# Altium PCB TestMod_SEAx.PcbDoc (part 1 of 3) (continued)
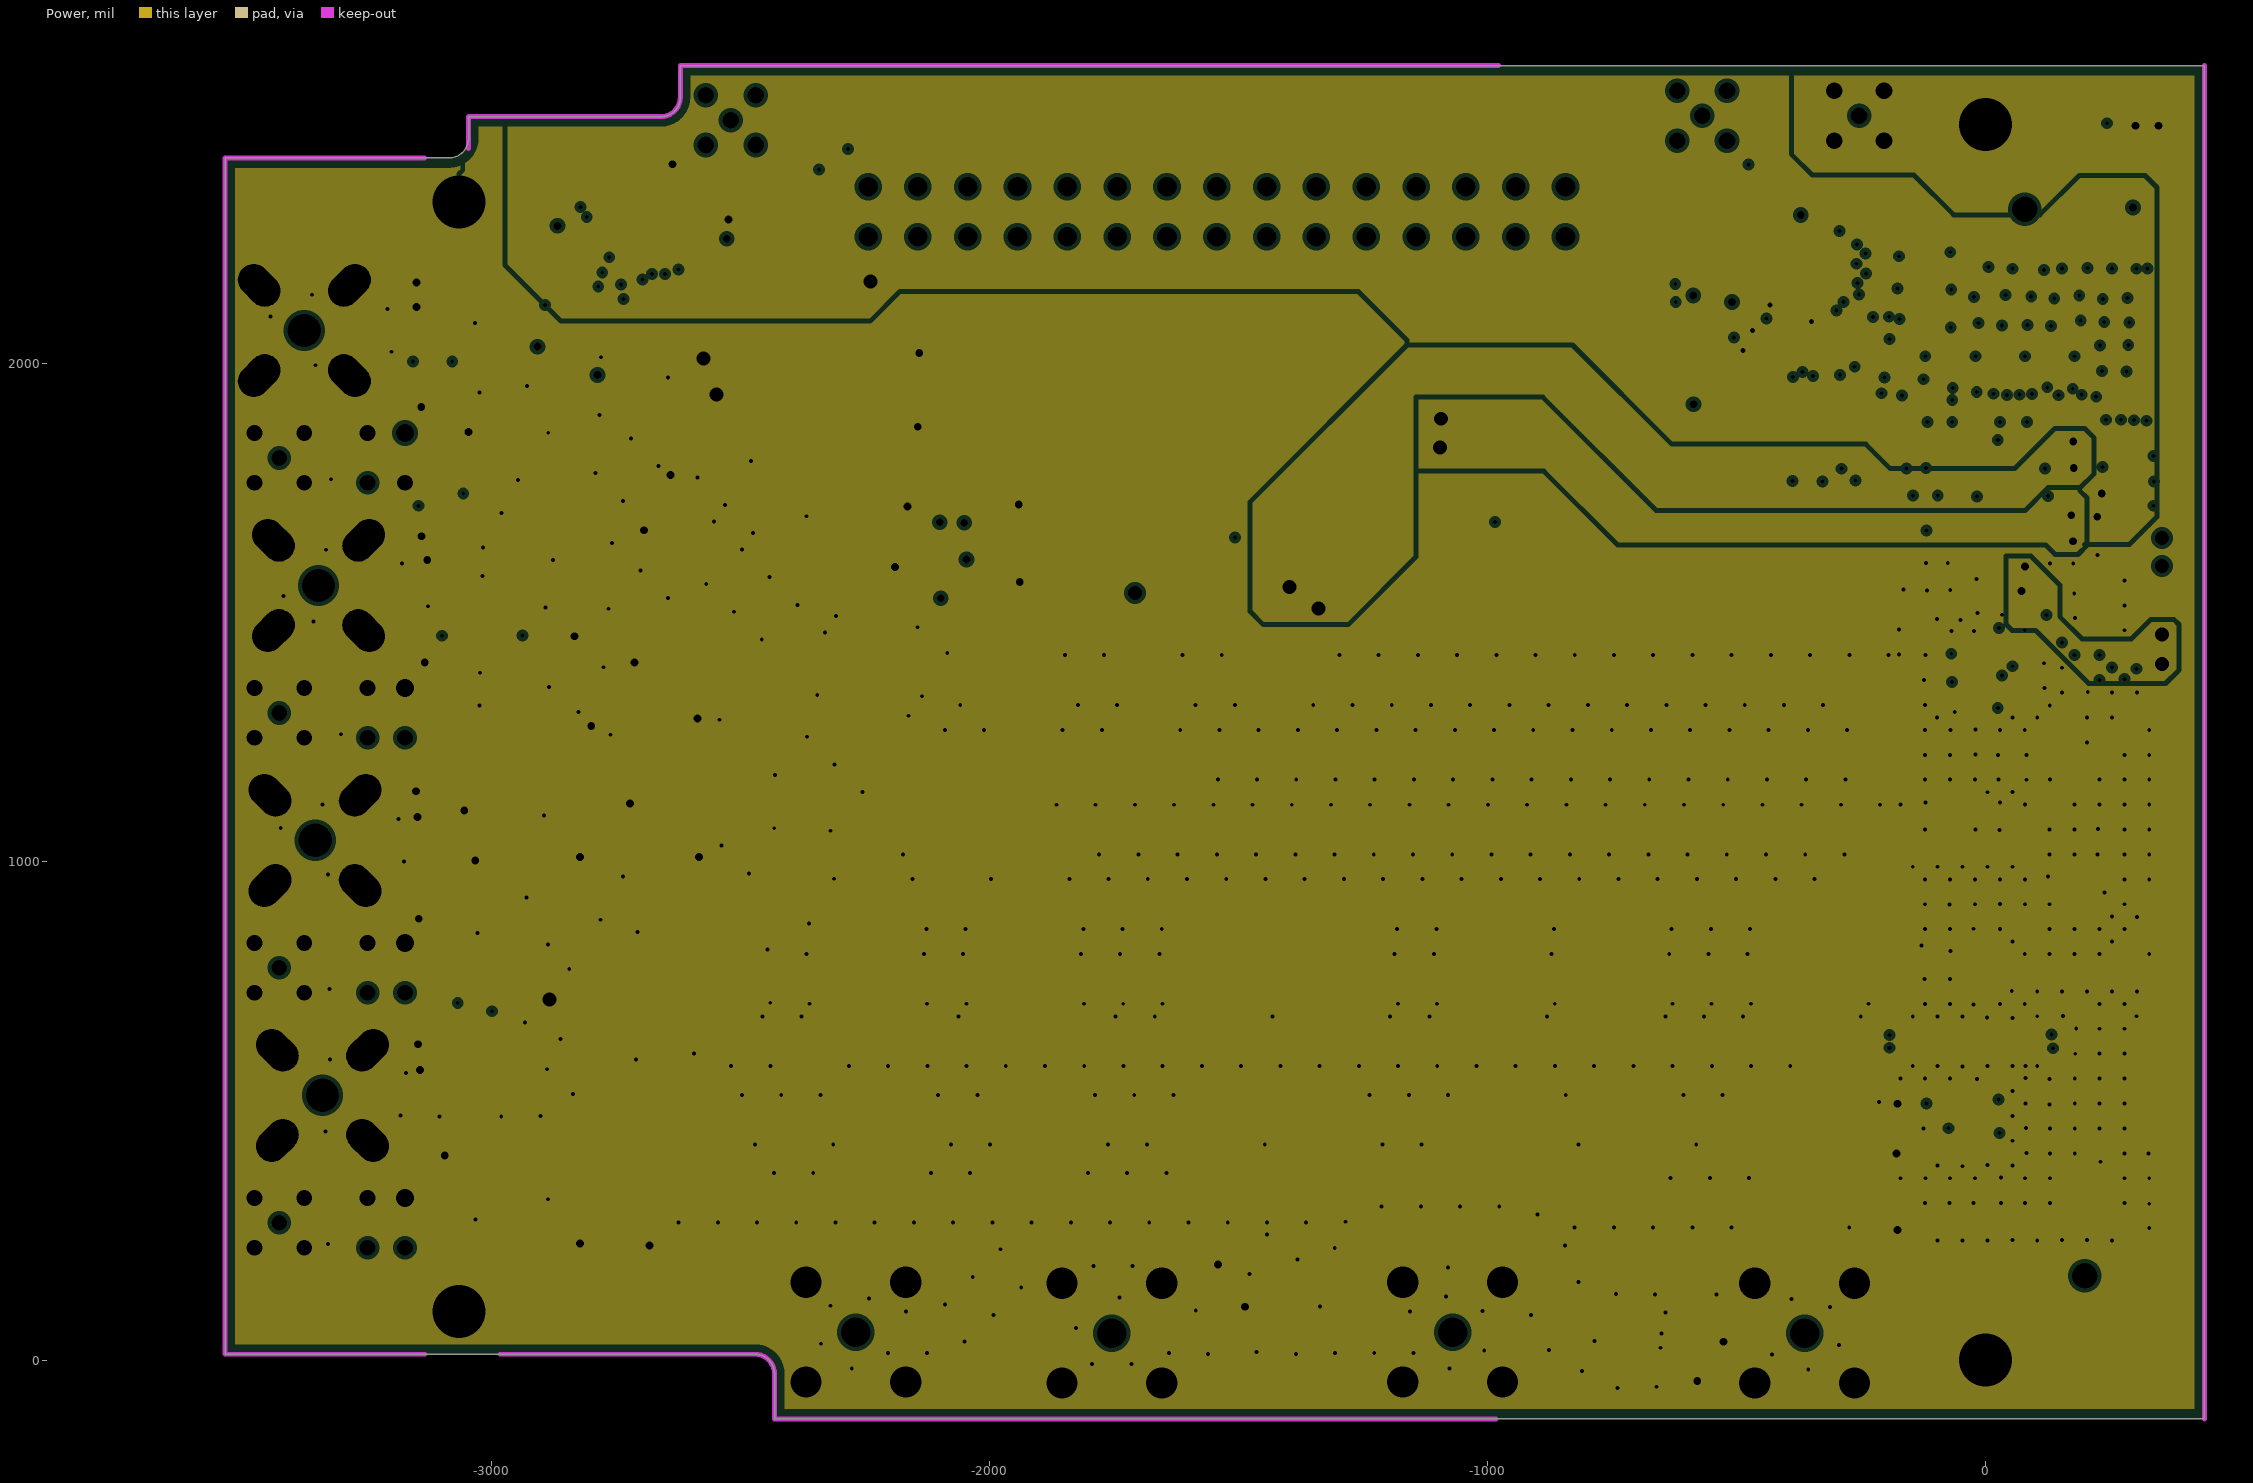
[diagram p3: Power, clearances drawn from the general rule]
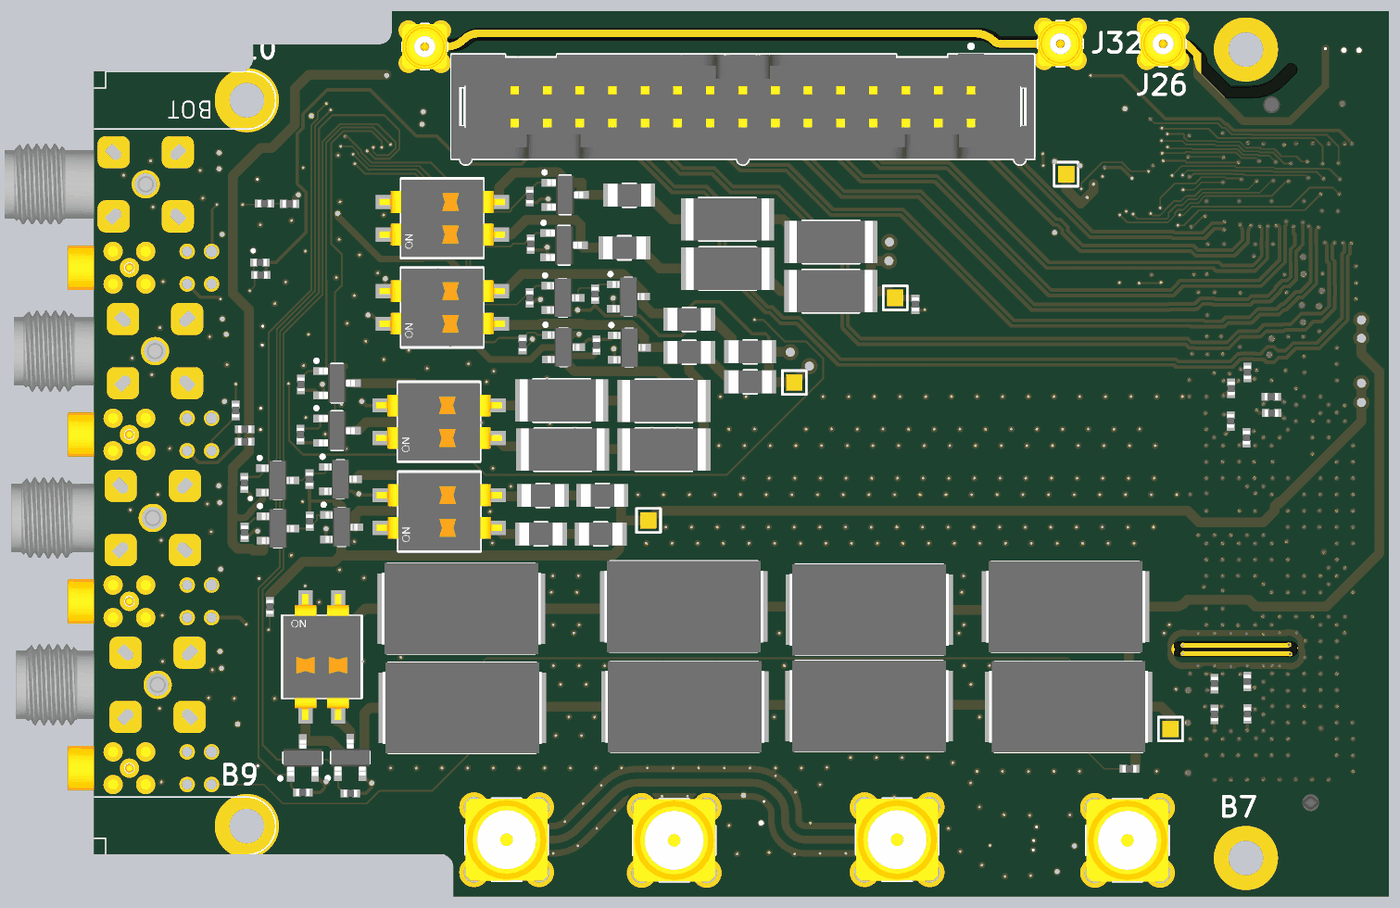
[diagram p6: 3D render of the assembled board from above, using the file's embedded part models]
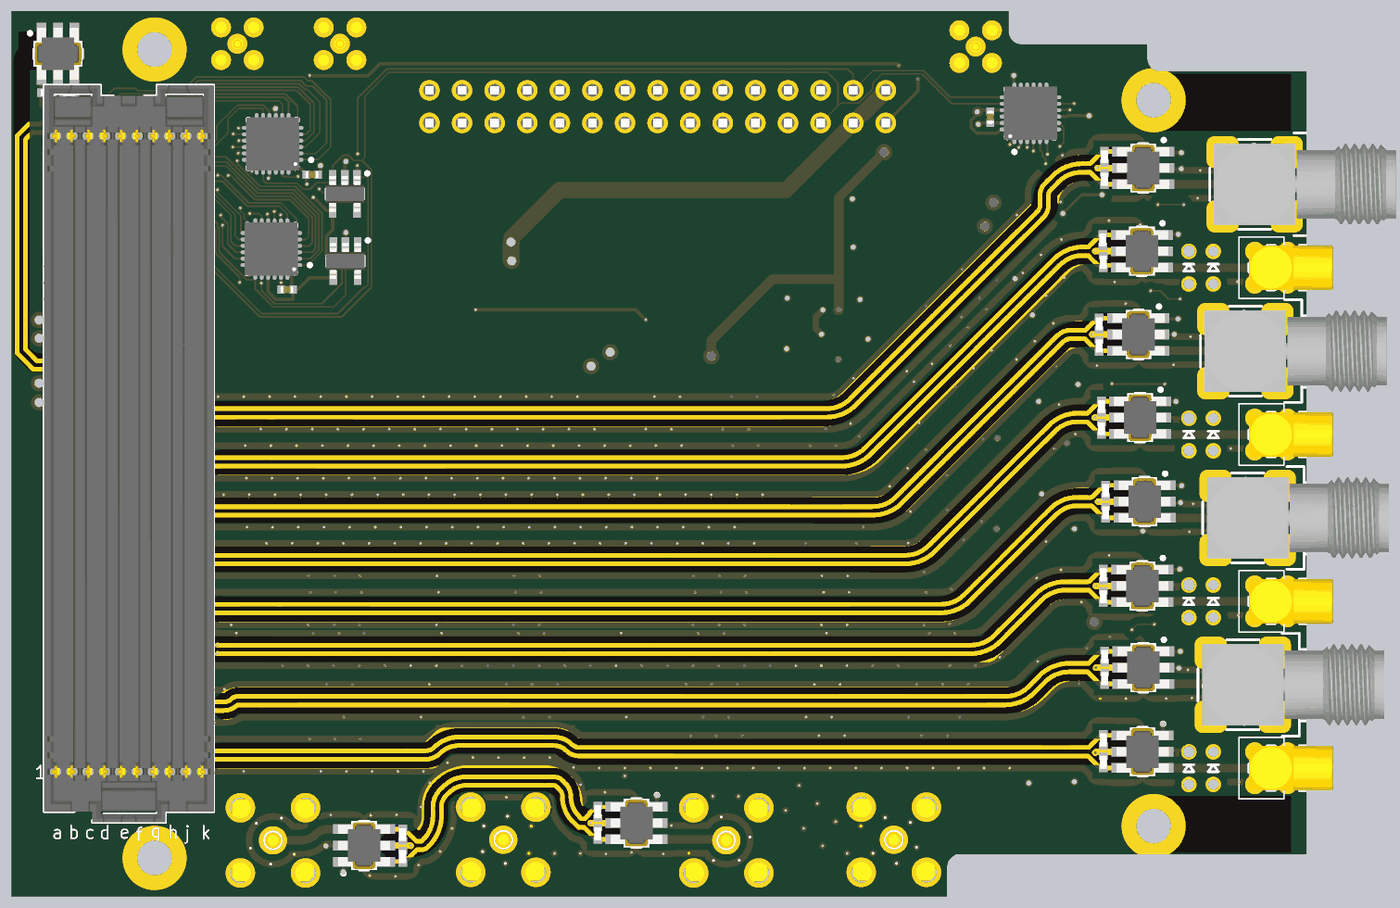
[diagram p7: 3D render of the assembled board from below, using the file's embedded part models]

## Layer stack, top to bottom
Top Solder: solder mask 3, Solder Resist, Dk 3.5
Top Layer: signal copper 1.378
Dielectric1: prepreg 14.1732, FR-4, Dk 4.8
GND: plane copper 1.378, net GND
Dielectric4: core 23.622, FR-4, Dk 4.8
Power: plane copper 1.378, net (Multiple Nets)
Dielectric7: prepreg 14.1732, FR-4, Dk 4.2
Bottom Layer: signal copper 1.378
Bottom Solder: solder mask 3, Solder Resist, Dk 3.5

## Board outline
-3534,11.81 -3534,2413.39 -3084.65,2413.39 ccw(c-3084.65,2452.76) -3045.28,2452.76 -3045.28,2496.06 -2659.45,2496.06 ccw(c-2659.45,2535.43) -2620.08,2535.43 -2620.08,2598.43 438.98,2598.43 438.98,-118.11 -2431.1,-118.11 -2431.1,-27.56 ccw(c-2470.47,-27.56) -2470.47,11.81

## Design rules (kind name [scope] priority, off if disabled: settings)
Clearance Clearance_diff_pairs [(InDifferentialPairClass('All Differential Pairs')) vs (InDifferentialPairClass('All Differential Pairs'))] p1 off: gap=20 ignorepadtopadclearanceinfootprint=FALSE
Clearance [All] p2: gap=5 ignorepadtopadclearanceinfootprint=FALSE except(20: Arc-Poly Track-Poly SMDPad-Poly THPad-Poly Via-Poly Fill-Poly Poly-Poly)
ComponentClearance [All] p1 off: gap=0 collisioncheckmode=3 verticalgap=0 showdistances=FALSE
DiffPairsRouting "Schematic Differential Pairs Routing_44" [InNet('DAC3_OUT_N')] p1: maxlimit=12 minlimit=12 mostfreqgap=12 toplayer_minwidth=14 toplayer_maxwidth=14 toplayer_prefwidth=14 bottomlayer_minwidth=14 bottomlayer_maxwidth=14 bottomlayer_prefwidth=14 maxuncoupledlength=500
DiffPairsRouting "Schematic Differential Pairs Routing_43" [InNet('ADC0_IN_P')] p2: maxlimit=12 minlimit=12 mostfreqgap=12 toplayer_minwidth=14 toplayer_maxwidth=14 toplayer_prefwidth=14 bottomlayer_minwidth=14 bottomlayer_maxwidth=14 bottomlayer_prefwidth=14 maxuncoupledlength=500
DiffPairsRouting "Schematic Differential Pairs Routing_42" [InNet('ADC3_IN_N')] p3: maxlimit=12 minlimit=12 mostfreqgap=12 toplayer_minwidth=14 toplayer_maxwidth=14 toplayer_prefwidth=14 bottomlayer_minwidth=14 bottomlayer_maxwidth=14 bottomlayer_prefwidth=14 maxuncoupledlength=500
DiffPairsRouting "Schematic Differential Pairs Routing_41" [InNet('DAC3_OUT_P')] p4: maxlimit=12 minlimit=12 mostfreqgap=12 toplayer_minwidth=14 toplayer_maxwidth=14 toplayer_prefwidth=14 bottomlayer_minwidth=14 bottomlayer_maxwidth=14 bottomlayer_prefwidth=14 maxuncoupledlength=500
DiffPairsRouting "Schematic Differential Pairs Routing_40" [InNet('ADC2_IN_P')] p5: maxlimit=12 minlimit=12 mostfreqgap=12 toplayer_minwidth=14 toplayer_maxwidth=14 toplayer_prefwidth=14 bottomlayer_minwidth=14 bottomlayer_maxwidth=14 bottomlayer_prefwidth=14 maxuncoupledlength=500
DiffPairsRouting "Schematic Differential Pairs Routing_39" [InNet('LO_IN_N')] p6: maxlimit=12 minlimit=12 mostfreqgap=12 toplayer_minwidth=14 toplayer_maxwidth=14 toplayer_prefwidth=14 bottomlayer_minwidth=14 bottomlayer_maxwidth=14 bottomlayer_prefwidth=14 maxuncoupledlength=500
DiffPairsRouting "Schematic Differential Pairs Routing_38" [InNet('DAC1_OUT_P')] p7: maxlimit=12 minlimit=12 mostfreqgap=12 toplayer_minwidth=14 toplayer_maxwidth=14 toplayer_prefwidth=14 bottomlayer_minwidth=14 bottomlayer_maxwidth=14 bottomlayer_prefwidth=14 maxuncoupledlength=500
DiffPairsRouting "Schematic Differential Pairs Routing_37" [InNet('ADC1_IN_P')] p8: maxlimit=12 minlimit=12 mostfreqgap=12 toplayer_minwidth=14 toplayer_maxwidth=14 toplayer_prefwidth=14 bottomlayer_minwidth=14 bottomlayer_maxwidth=14 bottomlayer_prefwidth=14 maxuncoupledlength=500
DiffPairsRouting "Schematic Differential Pairs Routing_36" [InNet('LO_IN_P')] p9: maxlimit=12 minlimit=12 mostfreqgap=12 toplayer_minwidth=14 toplayer_maxwidth=14 toplayer_prefwidth=14 bottomlayer_minwidth=14 bottomlayer_maxwidth=14 bottomlayer_prefwidth=14 maxuncoupledlength=500
DiffPairsRouting "Schematic Differential Pairs Routing_35" [InNet('DAC0_OUT_N')] p10: maxlimit=12 minlimit=12 mostfreqgap=12 toplayer_minwidth=14 toplayer_maxwidth=14 toplayer_prefwidth=14 bottomlayer_minwidth=14 bottomlayer_maxwidth=14 bottomlayer_prefwidth=14 maxuncoupledlength=500
DiffPairsRouting "Schematic Differential Pairs Routing_34" [InNet('ADC2_IN_N')] p11: maxlimit=12 minlimit=12 mostfreqgap=12 toplayer_minwidth=14 toplayer_maxwidth=14 toplayer_prefwidth=14 bottomlayer_minwidth=14 bottomlayer_maxwidth=14 bottomlayer_prefwidth=14 maxuncoupledlength=500
DiffPairsRouting "Schematic Differential Pairs Routing_33" [InNet('DAC1_OUT_N')] p12: maxlimit=12 minlimit=12 mostfreqgap=12 toplayer_minwidth=14 toplayer_maxwidth=14 toplayer_prefwidth=14 bottomlayer_minwidth=14 bottomlayer_maxwidth=14 bottomlayer_prefwidth=14 maxuncoupledlength=500
DiffPairsRouting "Schematic Differential Pairs Routing_32" [InNet('ADC0_IN_N')] p13: maxlimit=12 minlimit=12 mostfreqgap=12 toplayer_minwidth=14 toplayer_maxwidth=14 toplayer_prefwidth=14 bottomlayer_minwidth=14 bottomlayer_maxwidth=14 bottomlayer_prefwidth=14 maxuncoupledlength=500
DiffPairsRouting "Schematic Differential Pairs Routing_31" [InNet('ADC3_IN_P')] p14: maxlimit=12 minlimit=12 mostfreqgap=12 toplayer_minwidth=14 toplayer_maxwidth=14 toplayer_prefwidth=14 bottomlayer_minwidth=14 bottomlayer_maxwidth=14 bottomlayer_prefwidth=14 maxuncoupledlength=500
DiffPairsRouting "Schematic Differential Pairs Routing_30" [InNet('DAC2_OUT_P')] p15: maxlimit=12 minlimit=12 mostfreqgap=12 toplayer_minwidth=14 toplayer_maxwidth=14 toplayer_prefwidth=14 bottomlayer_minwidth=14 bottomlayer_maxwidth=14 bottomlayer_prefwidth=14 maxuncoupledlength=500
DiffPairsRouting "Schematic Differential Pairs Routing_29" [InNet('DAC0_OUT_P')] p16: maxlimit=12 minlimit=12 mostfreqgap=12 toplayer_minwidth=14 toplayer_maxwidth=14 toplayer_prefwidth=14 bottomlayer_minwidth=14 bottomlayer_maxwidth=14 bottomlayer_prefwidth=14 maxuncoupledlength=500
DiffPairsRouting "Schematic Differential Pairs Routing_28" [InNet('ADC1_IN_N')] p17: maxlimit=12 minlimit=12 mostfreqgap=12 toplayer_minwidth=14 toplayer_maxwidth=14 toplayer_prefwidth=14 bottomlayer_minwidth=14 bottomlayer_maxwidth=14 bottomlayer_prefwidth=14 maxuncoupledlength=500
DiffPairsRouting "Schematic Differential Pairs Routing_27" [InNet('TEST_SMA_P')] p18: maxlimit=12 minlimit=12 mostfreqgap=12 toplayer_minwidth=14 toplayer_maxwidth=14 toplayer_prefwidth=14 bottomlayer_minwidth=14 bottomlayer_maxwidth=14 bottomlayer_prefwidth=14 maxuncoupledlength=500
DiffPairsRouting "Schematic Differential Pairs Routing_26" [InNet('TEST_SMA_N')] p19: maxlimit=12 minlimit=12 mostfreqgap=12 toplayer_minwidth=14 toplayer_maxwidth=14 toplayer_prefwidth=14 bottomlayer_minwidth=14 bottomlayer_maxwidth=14 bottomlayer_prefwidth=14 maxuncoupledlength=500
DiffPairsRouting "Schematic Differential Pairs Routing_25" [InNet('NetTR1_5')] p20: maxlimit=12 minlimit=12 mostfreqgap=12 toplayer_minwidth=14 toplayer_maxwidth=14 toplayer_prefwidth=14 bottomlayer_minwidth=14 bottomlayer_maxwidth=14 bottomlayer_prefwidth=14 maxuncoupledlength=500
DiffPairsRouting "Schematic Differential Pairs Routing_24" [InNet('NetTR2_5')] p21: maxlimit=12 minlimit=12 mostfreqgap=12 toplayer_minwidth=14 toplayer_maxwidth=14 toplayer_prefwidth=14 bottomlayer_minwidth=14 bottomlayer_maxwidth=14 bottomlayer_prefwidth=14 maxuncoupledlength=500
DiffPairsRouting "Schematic Differential Pairs Routing_23" [InNet('NetTR3_5')] p22: maxlimit=12 minlimit=12 mostfreqgap=12 toplayer_minwidth=14 toplayer_maxwidth=14 toplayer_prefwidth=14 bottomlayer_minwidth=14 bottomlayer_maxwidth=14 bottomlayer_prefwidth=14 maxuncoupledlength=500
DiffPairsRouting "Schematic Differential Pairs Routing_22" [InNet('NetTR4_5')] p23: maxlimit=12 minlimit=12 mostfreqgap=12 toplayer_minwidth=14 toplayer_maxwidth=14 toplayer_prefwidth=14 bottomlayer_minwidth=14 bottomlayer_maxwidth=14 bottomlayer_prefwidth=14 maxuncoupledlength=500
DiffPairsRouting "Schematic Differential Pairs Routing_21" [InNet('NetTR5_5')] p24: maxlimit=12 minlimit=12 mostfreqgap=12 toplayer_minwidth=14 toplayer_maxwidth=14 toplayer_prefwidth=14 bottomlayer_minwidth=14 bottomlayer_maxwidth=14 bottomlayer_prefwidth=14 maxuncoupledlength=500
DiffPairsRouting "Schematic Differential Pairs Routing_20" [InNet('NetTR6_5')] p25: maxlimit=12 minlimit=12 mostfreqgap=12 toplayer_minwidth=14 toplayer_maxwidth=14 toplayer_prefwidth=14 bottomlayer_minwidth=14 bottomlayer_maxwidth=14 bottomlayer_prefwidth=14 maxuncoupledlength=500
DiffPairsRouting "Schematic Differential Pairs Routing_19" [InNet('NetTR7_5')] p26: maxlimit=12 minlimit=12 mostfreqgap=12 toplayer_minwidth=14 toplayer_maxwidth=14 toplayer_prefwidth=14 bottomlayer_minwidth=14 bottomlayer_maxwidth=14 bottomlayer_prefwidth=14 maxuncoupledlength=500
DiffPairsRouting "Schematic Differential Pairs Routing_18" [InNet('NetTR11_5')] p27: maxlimit=12 minlimit=12 mostfreqgap=12 toplayer_minwidth=14 toplayer_maxwidth=14 toplayer_prefwidth=14 bottomlayer_minwidth=14 bottomlayer_maxwidth=14 bottomlayer_prefwidth=14 maxuncoupledlength=500
DiffPairsRouting "Schematic Differential Pairs Routing_16" [InNet('GND')] p28: maxlimit=6 minlimit=6 mostfreqgap=6 toplayer_minwidth=11 toplayer_maxwidth=11 toplayer_prefwidth=11 bottomlayer_minwidth=11 bottomlayer_maxwidth=11 bottomlayer_prefwidth=11 maxuncoupledlength=500
DiffPairsRouting "Schematic Differential Pairs Routing_15" [InNet('LVDS2_P')] p29: maxlimit=6 minlimit=6 mostfreqgap=6 toplayer_minwidth=11 toplayer_maxwidth=11 toplayer_prefwidth=11 bottomlayer_minwidth=11 bottomlayer_maxwidth=11 bottomlayer_prefwidth=11 maxuncoupledlength=500
DiffPairsRouting "Schematic Differential Pairs Routing_14" [InNet('LVDS5_N')] p30: maxlimit=6 minlimit=6 mostfreqgap=6 toplayer_minwidth=11 toplayer_maxwidth=11 toplayer_prefwidth=11 bottomlayer_minwidth=11 bottomlayer_maxwidth=11 bottomlayer_prefwidth=11 maxuncoupledlength=500
DiffPairsRouting "Schematic Differential Pairs Routing_13" [InNet('LVDS3_P')] p31: maxlimit=6 minlimit=6 mostfreqgap=6 toplayer_minwidth=11 toplayer_maxwidth=11 toplayer_prefwidth=11 bottomlayer_minwidth=11 bottomlayer_maxwidth=11 bottomlayer_prefwidth=11 maxuncoupledlength=500
DiffPairsRouting "Schematic Differential Pairs Routing_12" [InNet('LVDS2_N')] p32: maxlimit=6 minlimit=6 mostfreqgap=6 toplayer_minwidth=11 toplayer_maxwidth=11 toplayer_prefwidth=11 bottomlayer_minwidth=11 bottomlayer_maxwidth=11 bottomlayer_prefwidth=11 maxuncoupledlength=500
DiffPairsRouting "Schematic Differential Pairs Routing_11" [InNet('LVDS7_N')] p33: maxlimit=6 minlimit=6 mostfreqgap=6 toplayer_minwidth=11 toplayer_maxwidth=11 toplayer_prefwidth=11 bottomlayer_minwidth=11 bottomlayer_maxwidth=11 bottomlayer_prefwidth=11 maxuncoupledlength=500
DiffPairsRouting "Schematic Differential Pairs Routing_10" [InNet('LVDS4_N')] p34: maxlimit=6 minlimit=6 mostfreqgap=6 toplayer_minwidth=11 toplayer_maxwidth=11 toplayer_prefwidth=11 bottomlayer_minwidth=11 bottomlayer_maxwidth=11 bottomlayer_prefwidth=11 maxuncoupledlength=500
DiffPairsRouting "Schematic Differential Pairs Routing_9" [InNet('LVDS3_N')] p35: maxlimit=6 minlimit=6 mostfreqgap=6 toplayer_minwidth=11 toplayer_maxwidth=11 toplayer_prefwidth=11 bottomlayer_minwidth=11 bottomlayer_maxwidth=11 bottomlayer_prefwidth=11 maxuncoupledlength=500
DiffPairsRouting "Schematic Differential Pairs Routing_8" [InNet('LVDS1_P')] p36: maxlimit=6 minlimit=6 mostfreqgap=6 toplayer_minwidth=11 toplayer_maxwidth=11 toplayer_prefwidth=11 bottomlayer_minwidth=11 bottomlayer_maxwidth=11 bottomlayer_prefwidth=11 maxuncoupledlength=500
DiffPairsRouting "Schematic Differential Pairs Routing_7" [InNet('LVDS1_N')] p37: maxlimit=6 minlimit=6 mostfreqgap=6 toplayer_minwidth=11 toplayer_maxwidth=11 toplayer_prefwidth=11 bottomlayer_minwidth=11 bottomlayer_maxwidth=11 bottomlayer_prefwidth=11 maxuncoupledlength=500
DiffPairsRouting "Schematic Differential Pairs Routing_6" [InNet('LVDS7_P')] p38: maxlimit=6 minlimit=6 mostfreqgap=6 toplayer_minwidth=11 toplayer_maxwidth=11 toplayer_prefwidth=11 bottomlayer_minwidth=11 bottomlayer_maxwidth=11 bottomlayer_prefwidth=11 maxuncoupledlength=500
DiffPairsRouting "Schematic Differential Pairs Routing_5" [InNet('LVDS4_P')] p39: maxlimit=6 minlimit=6 mostfreqgap=6 toplayer_minwidth=11 toplayer_maxwidth=11 toplayer_prefwidth=11 bottomlayer_minwidth=11 bottomlayer_maxwidth=11 bottomlayer_prefwidth=11 maxuncoupledlength=500
DiffPairsRouting "Schematic Differential Pairs Routing_4" [InNet('LVDS6_P')] p40: maxlimit=6 minlimit=6 mostfreqgap=6 toplayer_minwidth=11 toplayer_maxwidth=11 toplayer_prefwidth=11 bottomlayer_minwidth=11 bottomlayer_maxwidth=11 bottomlayer_prefwidth=11 maxuncoupledlength=500
DiffPairsRouting "Schematic Differential Pairs Routing_3" [InNet('LVDS6_N')] p41: maxlimit=6 minlimit=6 mostfreqgap=6 toplayer_minwidth=11 toplayer_maxwidth=11 toplayer_prefwidth=11 bottomlayer_minwidth=11 bottomlayer_maxwidth=11 bottomlayer_prefwidth=11 maxuncoupledlength=500
DiffPairsRouting "Schematic Differential Pairs Routing_2" [InNet('LVDS5_P')] p42: maxlimit=6 minlimit=6 mostfreqgap=6 toplayer_minwidth=11 toplayer_maxwidth=11 toplayer_prefwidth=11 bottomlayer_minwidth=11 bottomlayer_maxwidth=11 bottomlayer_prefwidth=11 maxuncoupledlength=500
DiffPairsRouting "Schematic Differential Pairs Routing_1" [InNet('LVDS0_P')] p43: maxlimit=6 minlimit=6 mostfreqgap=6 toplayer_minwidth=11 toplayer_maxwidth=11 toplayer_prefwidth=11 bottomlayer_minwidth=11 bottomlayer_maxwidth=11 bottomlayer_prefwidth=11 maxuncoupledlength=500
DiffPairsRouting "Schematic Differential Pairs Routing" [InNet('LVDS0_N')] p44: maxlimit=6 minlimit=6 mostfreqgap=6 toplayer_minwidth=11 toplayer_maxwidth=11 toplayer_prefwidth=11 bottomlayer_minwidth=11 bottomlayer_maxwidth=11 bottomlayer_prefwidth=11 maxuncoupledlength=500
FabricationTestPointUsage TestPointUsage [All] p1: valid=0 allowmultiple=FALSE
FabricationTestpoint Testpoint [(IsPad And (OnTopLayer Or OnBottomLayer))] p1: side=3 testpointundercomponent=TRUE minsize=40 maxsize=100 preferedsize=60 minholesize=0 maxholesize=40 preferedholesize=32 testpointgrid=1 allowsidetop=TRUE allowsidebottom=TRUE usegrid=TRUE gridtolerance=0.01
Height Height_Top [OnTop] p1: minheight=0 maxheight=500 prefheight=350
Height Height_Bot [OnBottom] p2 off: minheight=0 maxheight=65 prefheight=52
HoleSize [All] p1: absolutevalues=TRUE maxlimit=1000 minlimit=1 maxpercent=80.000 minpercent=20.000
HoleToHoleClearance [All] p1: gap=5 allowstackedmicrovias=TRUE
Length [InNetClass('ADC0_D') or InNetClass('ADC1_D') or InNetClass('ADC1_D') or InNetClass('ADC3_D')] p1 off: maxlimit=688.98 minlimit=531.5
MatchedLengths [InNetClass('ADC0_D') or InNetClass('ADC1_D') or InNetClass('ADC1_D') or InNetClass('ADC3_D')] p1 off: tolerance=39.37 checknetsindiffpair=TRUE checkdiffpairvsdiffpair=FALSE checkxsignals=FALSE checkothers=FALSE
MaxMinImpedance "Schematic Impedance Constraint_25" [InNetClass('Z50R')] p1: minimum=49.00 maximum=51.00
MinimumSolderMaskSliver [All] p1 off: minsoldermaskwidth=1
PlaneClearance [All] p1: clearance=8
PlaneConnect Vias_Plane [IsVia] p1: planeconnectstyle=Direct reliefexpansion=20 reliefentries=4 reliefconductorwidth=10 reliefairgap=10
PlaneConnect PlaneConnect_LEMO [(InComponent('J1') OR  InComponent('J2') OR  InComponent('J3') OR  InComponent('J4') OR  InComponent('J5') )] p2: planeconnectstyle=Relief reliefexpansion=20 reliefentries=4 reliefconductorwidth=9.84 reliefairgap=10
PlaneConnect PlaneConnect_1 [All] p3: planeconnectstyle=Relief reliefexpansion=5 reliefentries=4 reliefconductorwidth=6 reliefairgap=8
PolygonConnect [All] p1: thpad.connectstyle=Relief thpad.reliefconductorwidth=6 thpad.reliefentries=4 thpad.polygonreliefangle="90 Angle" thpad.airgapwidth=6 smdpad.connectstyle=Relief smdpad.reliefconductorwidth=6 smdpad.reliefentries=4 smdpad.polygonreliefangle="90 Angle" smdpad.airgapwidth=6 via.connectstyle=Direct via.reliefconductorwidth=10 via.reliefentries=4 via.polygonreliefangle="90 Angle" via.airgapwidth=10
RoomDefinition TestMod_SEAx [InComponentClass('TestMod_SEAx')] p1: confinementstyle=ConfineIn formatcopy=TRUE lockcomponents=FALSE outline -6167.32,-2787.4 -4167.32,-2787.4 -4167.32,-1787.4 -6167.32,-1787.4
RoomDefinition U_SEAx_connector [InComponentClass('U_SEAx_connector')] p2 off: confinementstyle=ConfineIn formatcopy=TRUE lockcomponents=FALSE outline -1172.32,1787.6 -522.32,1787.6 -522.32,2522.6 -1172.32,2522.6
RoutingVias RoutingVias_pwr [InNetClass('HPWR')] p1: holewidth=31.5 width=50 viastyle="Through Hole" minholewidth=10 minwidth=15 maxholewidth=39.37 maxwidth=78.74
RoutingVias RoutingVias_GND [InNet('GND')] p2: holewidth=31.5 width=50 viastyle="Through Hole" minholewidth=7.87 minwidth=15.75 maxholewidth=39.37 maxwidth=78.74
RoutingVias [All] p3: holewidth=7.87 width=15.75 viastyle="Through Hole" minholewidth=7.87 minwidth=15.75 maxholewidth=39.37 maxwidth=78.74
SilkToSilkClearance [All] p1 off: silktosilkclearance=1
SilkToSolderMaskClearance SilkscreenOverComponentPads [IsPad] p1 off: minsilkscreentomaskgap=2 clearancetoexposedcopper=TRUE
SolderMaskExpansion [All] p1: expansion=0
ViasUnderSMD ViasUnderSMD_allow [InComponent('IC1A')   or InComponent('IC1B') or InComponent('IC1C') or InComponent('IC1D') or InComponent('IC16') or InComponent('IC17') or InComponent('IC24') or InComponent('IC12') or InComponent('IC2') or  InComponent('IC6')   or InComponent('IC5') or InComponent('IC1C') or InComponent('IC7')  or InComponent('IC8')  or InComponent('IC9')  or InComponent('IC12')    or InComponent('IC10')   or InComponent('IC13')   or InComponent('IC11')   or InComponent('IC4')   or InComponent('IC25')   or InComponent('IC15')    or InComponent('IC18')] p1: allowed=TRUE
ViasUnderSMD [All] p2: allowed=FALSE
Width "Schematic Width Constraint" [InNetClass('HPWR')] p1: maxlimit=100 minlimit=10 preferedwidth=30
Width Width_50R [InNetClass('Z50R')] p2: maxlimit=26.18 minlimit=22.86 preferedwidth=25.44 toplayer_maxwidth=24.31 toplayer_prefwidth=23.58 bottomlayer_minwidth=24.71 impedancedriven=TRUE minimp=49.000000 maximp=51.000000 favimp=50.000000
Width [All] p3: maxlimit=100 minlimit=5 preferedwidth=6
18 further rules are at their usual default settings.
